# KiCad board digital_board_v1.kicad_pcb
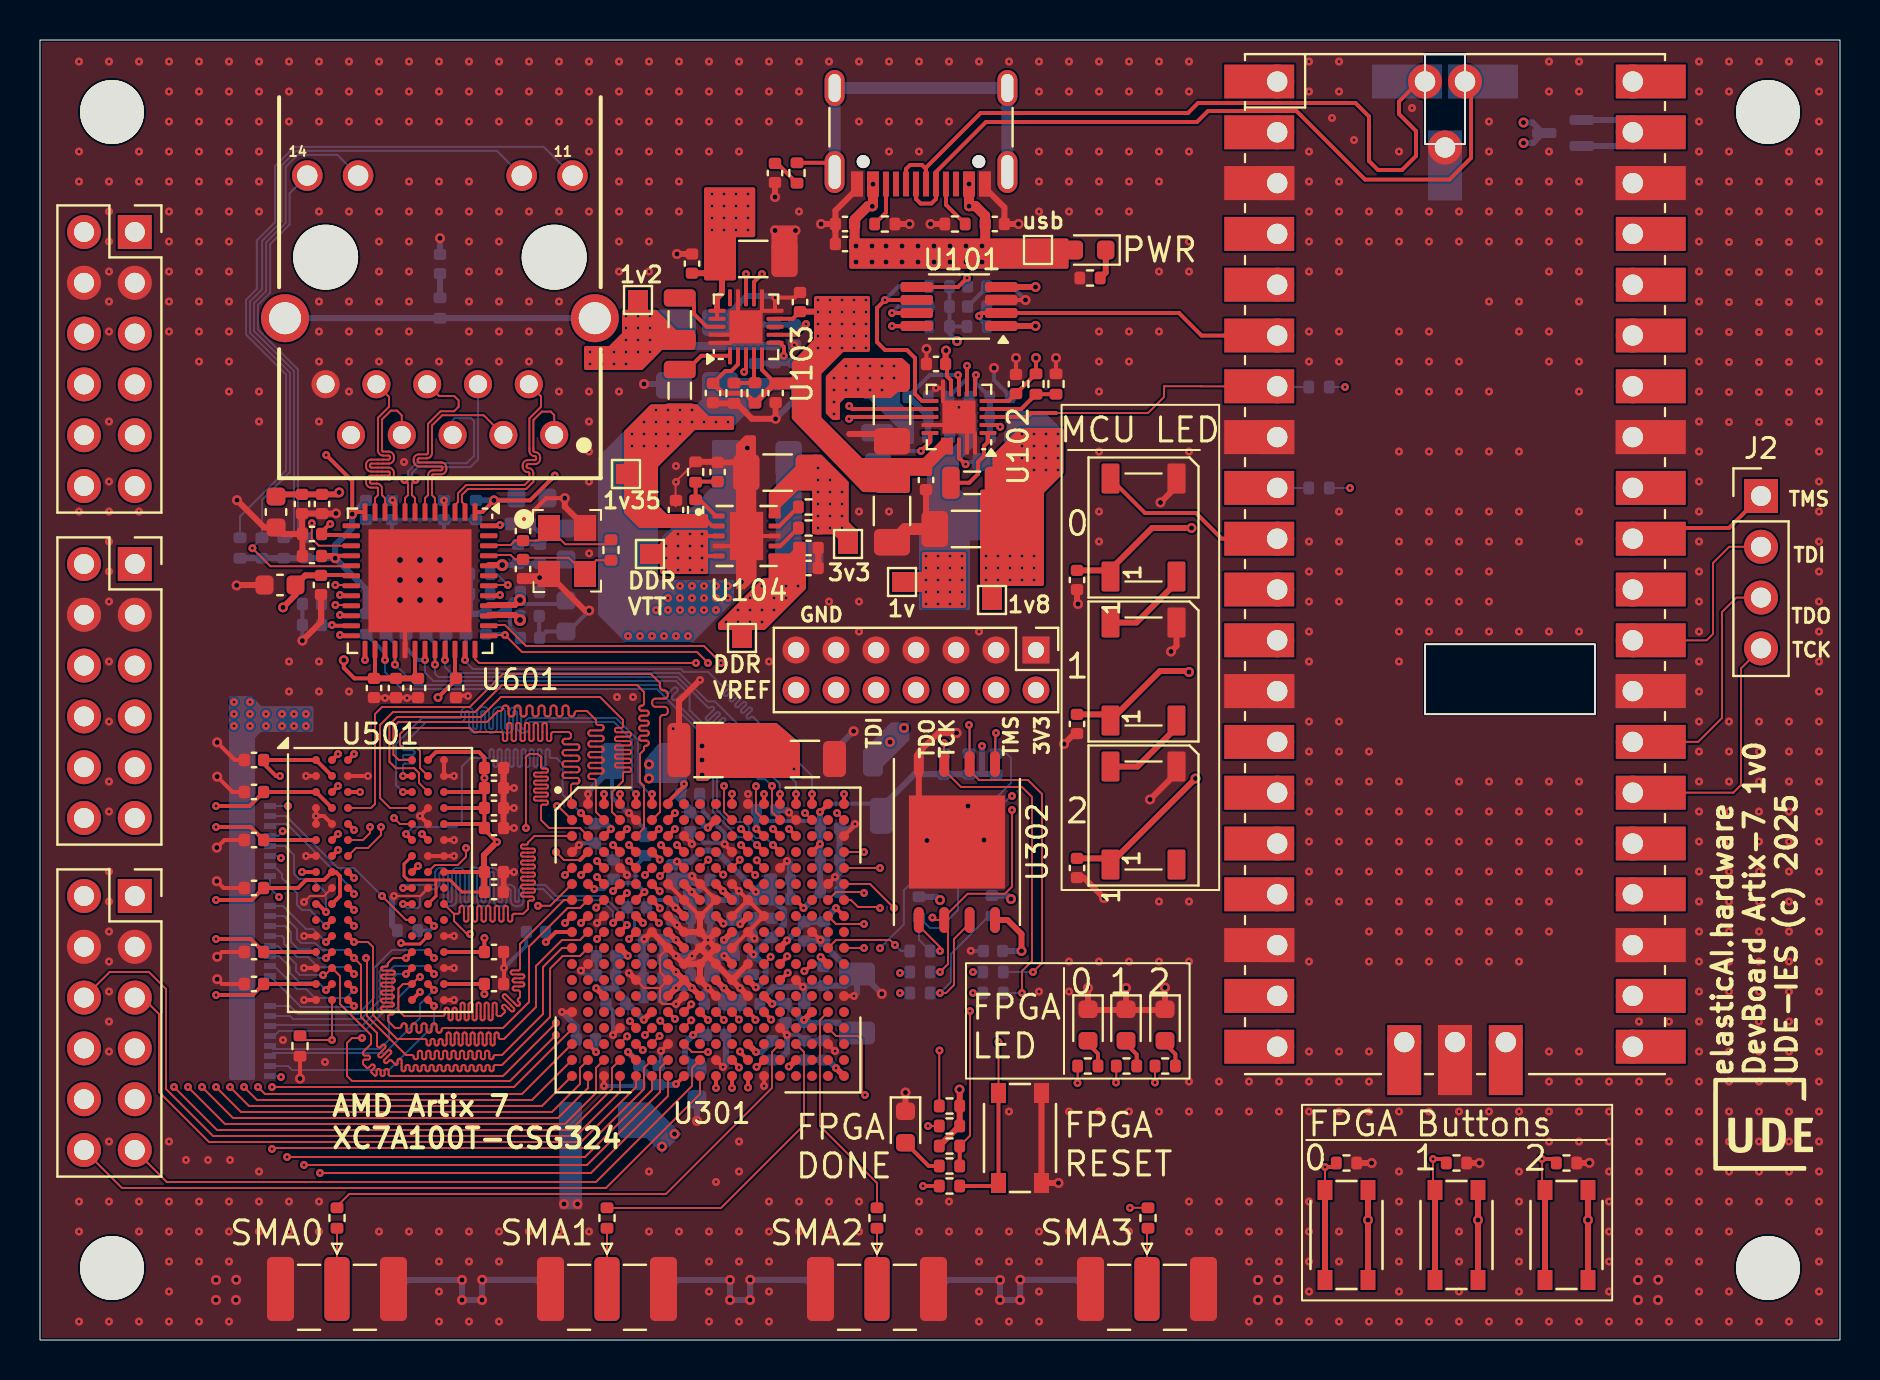
[diagram p0: board, top side]
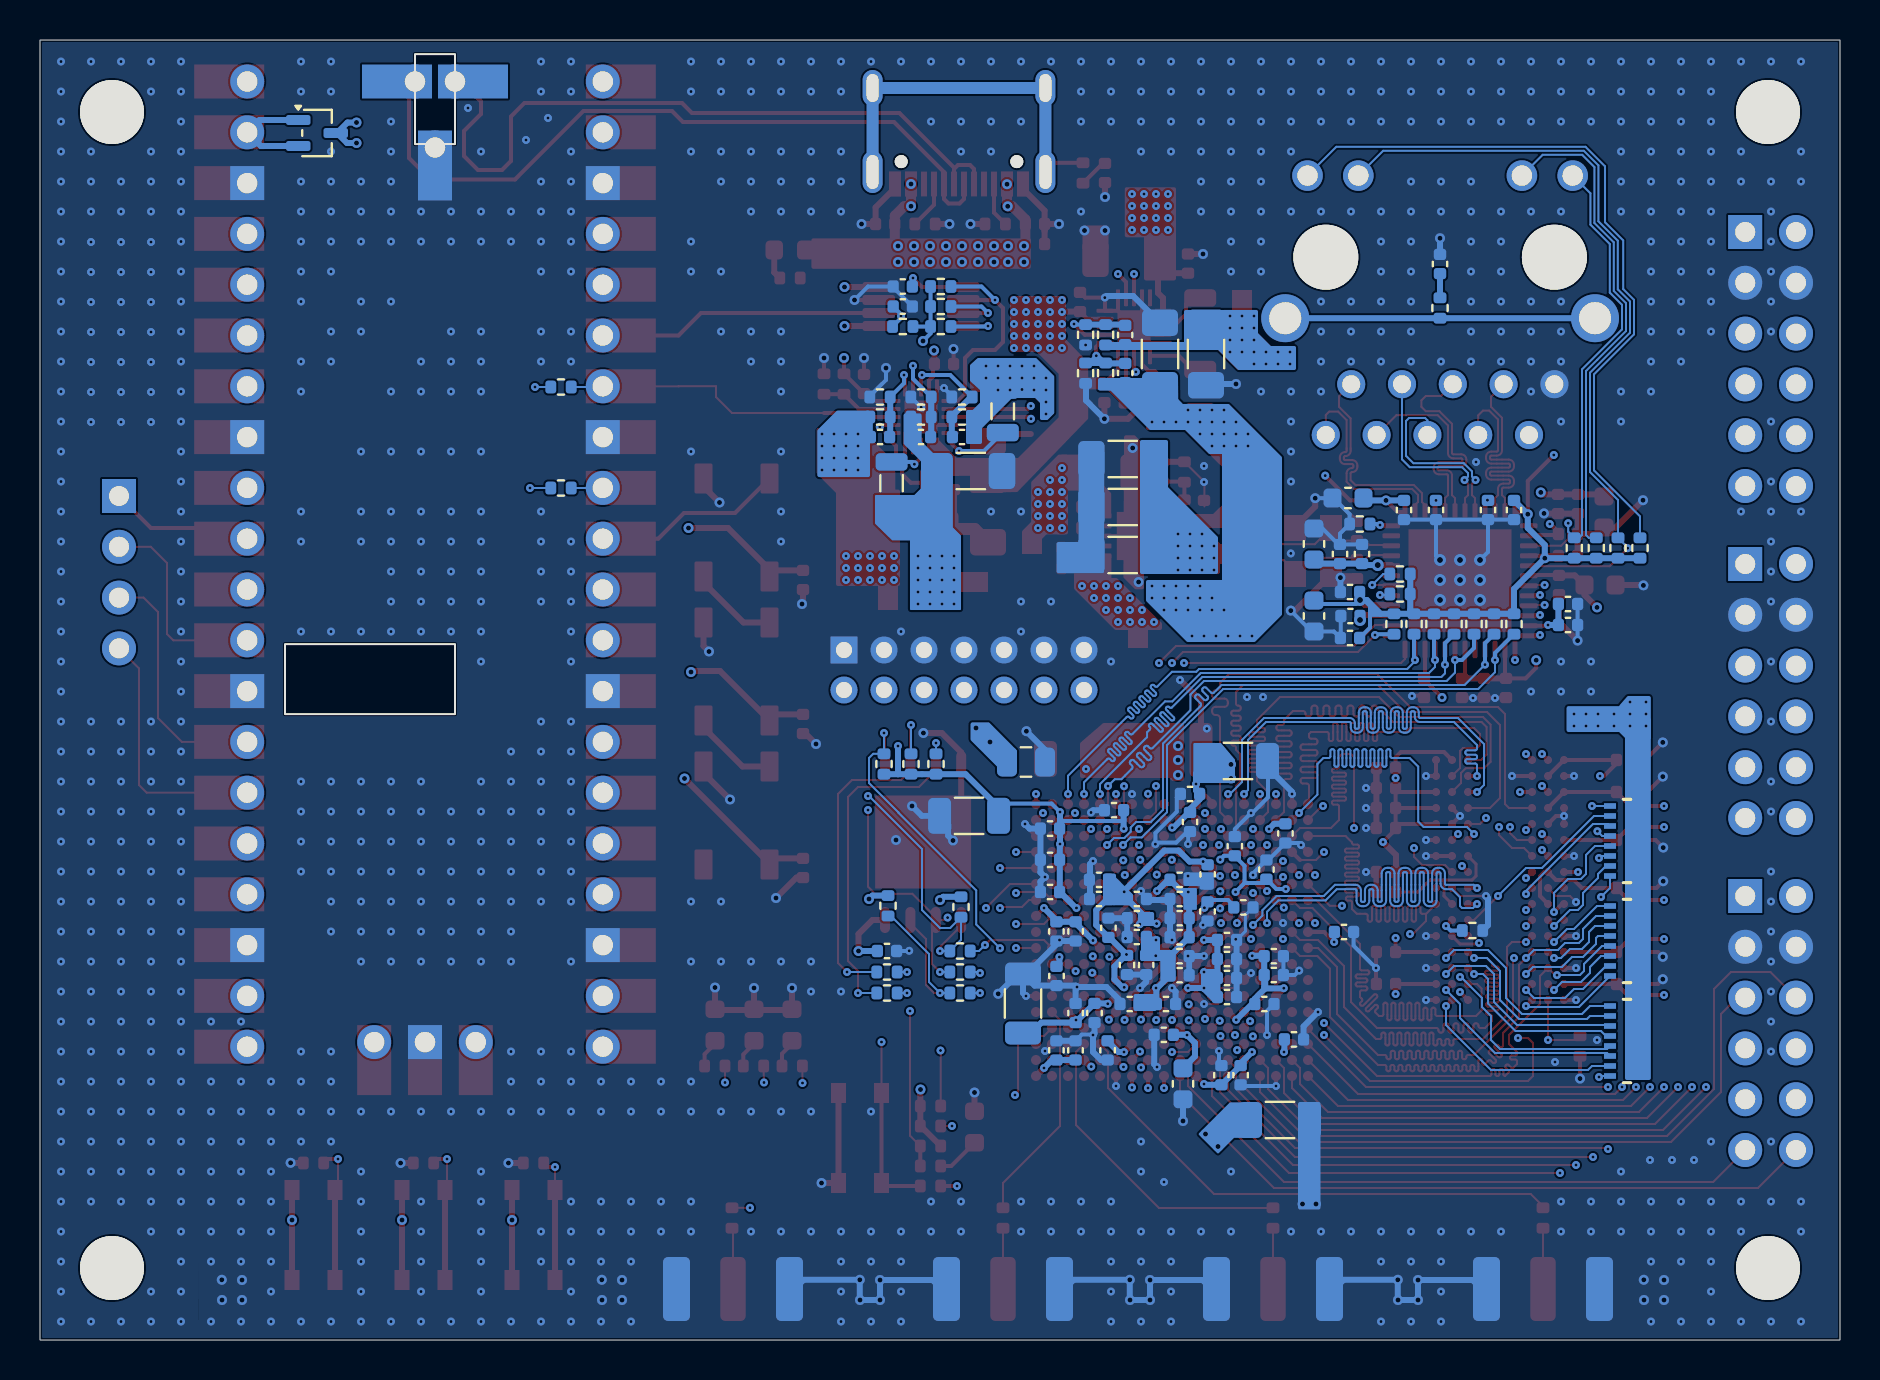
[diagram p1: board, bottom side, seen from below]

Outline 90 x 65 mm; copper layers: F.Cu (signal), In1.Cu (GND) (plane), In2.Cu (signal), In3.Cu (PWR) (plane), In4.Cu (PWR), In5.Cu (signal), In6.Cu (GND), B.Cu (signal). Coordinates in mm from the lower left corner of the outline.
Outline path: rectangle 0,65 90,0
Stack: F.Cu (signal) 0.018mm / dielectric 0.1mm FR4 er 4.2 / In1.Cu (GND) 0.018mm / dielectric 0.3233mm FR4 er 4.2 / In2.Cu (signal) 0.018mm / dielectric 0.1mm FR4 er 4.2 / In3.Cu (PWR) 0.018mm / dielectric 0.3233mm FR4 er 4.2 / In4.Cu (PWR) 0.018mm / dielectric 0.1mm FR4 er 4.2 / In5.Cu (signal) 0.035mm / dielectric 0.3233mm FR4 er 4.5 / In6.Cu (GND) 0.035mm / dielectric 0.1mm FR4 er 4.5 / B.Cu (signal) 0.018mm

## Placement (name value [footprint] x y rotation side)
C101  100n  [C_0402_1005Metric]  46.86 51.67 180 bottom
C102  100n  [C_0402_1005Metric]  46.86 52.67 0 bottom
C103  100n  [C_0402_1005Metric]  44.8 48.8 180 top
C104  100n  [C_0402_1005Metric]  48.8 47.8 90 top
C105  100n  [C_0402_1005Metric]  44.3 43 270 top
C106  47µ  [C_1206_3216Metric_Pad1.33x1.80mm_HandSolder]  42.6 41.45 90 top
C107  6p8  [C_0402_1005Metric]  45.95 45.15 180 bottom
C108  10µ  [C_1206_3216Metric_Pad1.33x1.80mm_HandSolder]  43.46 43.45 180 bottom
C109  3p3  [C_0402_1005Metric]  48 45.15 180 bottom
C110  10µ  [C_1206_3216Metric_Pad1.33x1.80mm_HandSolder]  46.3 40.55 180 top
C111  3p3  [C_0402_1005Metric]  43.9 45.15 0 bottom
C112  10µ  [C_1206_3216Metric_Pad1.33x1.80mm_HandSolder]  42.6 46.5 270 top
C113  100n  [C_0402_1005Metric]  33.65 47.35 90 top
C114  100n  [C_0402_1005Metric]  36.78 47.35 90 top
C115  100n  [C_0402_1005Metric]  32.6 53.82 90 top
C116  100n  [C_0402_1005Metric]  38 51.9 90 top
C117  47µ  [C_1206_3216Metric_Pad1.33x1.80mm_HandSolder]  35.66 54.05 180 top
C118  6p8  [C_0402_1005Metric]  35.74 50.25 90 bottom
C119  10µ  [C_1206_3216Metric_Pad1.33x1.80mm_HandSolder]  31.7 49.3 270 bottom
C120  3p3  [C_0402_1005Metric]  35.74 48.35 90 bottom
C121  10µ  [C_1206_3216Metric_Pad1.33x1.80mm_HandSolder]  34 49.3 90 bottom
C124  10µ  [C_1206_3216Metric_Pad1.33x1.80mm_HandSolder]  36.88 43.37 180 top
C125  100n  [C_0402_1005Metric]  33.88 43.4 90 top
C126  100n  [C_0402_1005Metric]  31.8 41.5 90 top
C127  10µ  [C_1206_3216Metric_Pad1.33x1.80mm_HandSolder]  35.87 44.05 0 bottom
C128  10µ  [C_1206_3216Metric_Pad1.33x1.80mm_HandSolder]  35.87 41.65 0 bottom
C129  10µ  [C_1206_3216Metric_Pad1.33x1.80mm_HandSolder]  35.87 39.25 0 bottom
C130  100n  [C_0402_1005Metric]  38.43 39.6 0 top
C131  100n  [C_0402_1005Metric]  38.43 38.6 0 top
C144  100n  [C_0402_1005Metric]  47.65 19.45 180 bottom
C201  100n  [C_0402_1005Metric]  47.74 55.8 0 top
C202  100n  [C_0402_1005Metric]  40.25 54.8 180 top
C203  100n  [C_0402_1005Metric]  40.25 55.8 180 top
C204  100n  [C_0402_1005Metric]  36.75 58.35 270 top
C205  100n  [C_0402_1005Metric]  51.85 38 270 top
C206  100n  [C_0402_1005Metric]  51.85 30.8 270 top
C207  100n  [C_0402_1005Metric]  51.85 23.6 270 top
C301  470n  [C_0402_1005Metric]  39.18 18.2 90 bottom
C302  470n  [C_0402_1005Metric]  37.28 16.35 90 bottom
C303  470n  [C_0402_1005Metric]  36.62 14.48 90 bottom
C304  470n  [C_0402_1005Metric]  39.18 14.48 270 bottom
C305  10µ  [C_0402_1005Metric]  38.22 14.48 270 bottom
C306  10µ  [C_0402_1005Metric]  38.22 16.35 270 bottom
C307  100µ  [C_1206_3216Metric]  40.85 16.82 270 bottom
C308  470n  [C_0402_1005Metric]  36.3 26.49 180 bottom
C309  470n  [C_0402_1005Metric]  39.5 25.57 180 bottom
C310  470n  [C_0402_1005Metric]  39.5 22.4 180 bottom
C311  470n  [C_0402_1005Metric]  39.18 20.43 90 bottom
C312  10µ  [C_0402_1005Metric]  38.22 20.43 90 bottom
C313  10µ  [C_0402_1005Metric]  39.5 24.01 180 bottom
C314  100µ  [C_1206_3216Metric]  43.54 26.21 180 bottom
C315  470n  [C_0402_1005Metric]  27.73 25.33 90 bottom
C316  470n  [C_0402_1005Metric]  30.26 24.69 270 bottom
C317  470n  [C_0402_1005Metric]  32.5 25.9 90 bottom
C318  470n  [C_0402_1005Metric]  24.8 20.4 0 bottom
C319  10µ  [C_0402_1005Metric]  32.5 27.3 180 bottom
C320  10µ  [C_0402_1005Metric]  28.68 23.52 270 bottom
C321  100µ  [C_1206_3216Metric]  30.1 28.95 0 bottom
C322  470n  [C_0402_1005Metric]  28.31 19.19 0 bottom
C323  470n  [C_0402_1005Metric]  28.78 16.8 0 bottom
C324  470n  [C_0402_1005Metric]  30.93 13.24 270 bottom
C325  470n  [C_0402_1005Metric]  27.3 15.03 0 bottom
C326  10µ  [C_0402_1005Metric]  29.97 13.24 90 bottom
C327  10µ  [C_0402_1005Metric]  28.31 18.25 0 bottom
C328  100µ  [C_1206_3216Metric]  28 11 0 bottom
C401  47µ  [C_0603_1608Metric]  32.85 12.81 270 bottom
C402  470n  [C_0402_1005Metric]  33.81 15.26 0 bottom
C403  10µ  [C_0402_1005Metric]  35.16 22.05 180 bottom
C404  10µ  [C_0402_1005Metric]  37.05 22.05 0 bottom
C405  47µ  [C_0805_2012Metric]  40.7 28.9 180 bottom
C406  470n  [C_0402_1005Metric]  37.05 23.01 0 bottom
C407  470n  [C_0402_1005Metric]  35.16 21.09 0 bottom
C408  470n  [C_0402_1005Metric]  35.65 18.75 270 bottom
C409  470n  [C_0402_1005Metric]  36.58 20.61 90 bottom
C410  470n  [C_0402_1005Metric]  31.62 23.28 270 bottom
C411  470n  [C_0402_1005Metric]  33.02 23.01 180 bottom
C412  470n  [C_0402_1005Metric]  29.83 21.63 180 bottom
C413  100µ  [C_1206_3216Metric]  38.25 29.05 0 top
C414  100µ  [C_1210_3225Metric]  33.43 29.5 180 top
C415  10µ  [C_0402_1005Metric]  33.7 16.8 180 bottom
C416  10µ  [C_0402_1005Metric]  33.02 19.19 180 bottom
C417  10µ  [C_0402_1005Metric]  35.16 20.15 0 bottom
C418  10µ  [C_0402_1005Metric]  35.52 16.8 0 bottom
C419  10µ  [C_0402_1005Metric]  31.62 21.43 270 bottom
C420  10µ  [C_0402_1005Metric]  30.65 17.15 180 bottom
C421  470n  [C_0402_1005Metric]  30.65 20 180 bottom
C422  470n  [C_0402_1005Metric]  33.02 20.14 0 bottom
C423  470n  [C_0402_1005Metric]  34.69 18.75 270 bottom
C424  470n  [C_0402_1005Metric]  33.02 22.05 0 bottom
C425  470n  [C_0402_1005Metric]  30.65 18.1 180 bottom
C426  470n  [C_0402_1005Metric]  33.02 18.24 180 bottom
C427  470n  [C_0402_1005Metric]  30.65 19.05 180 bottom
C428  470n  [C_0402_1005Metric]  33.02 21.09 0 bottom
C501  470n  [C_0402_1005Metric]  22.7 28.6 180 top
C502  470n  [C_0402_1005Metric]  22.7 22.4 180 top
C503  470n  [C_0402_1005Metric]  22.7 26.6 180 top
C504  470n  [C_0402_1005Metric]  22.7 23.4 180 top
C505  470n  [C_0402_1005Metric]  22.7 25.6 180 top
C506  470n  [C_0402_1005Metric]  22.7 27.6 180 top
C507  470n  [C_0402_1005Metric]  22.7 17.8 180 top
C508  470n  [C_0402_1005Metric]  10.7 19.4 0 top
C509  470n  [C_0402_1005Metric]  10.7 17.8 0 top
C510  470n  [C_0402_1005Metric]  22.7 19.4 180 top
C511  470n  [C_0402_1005Metric]  10.7 29 0 top
C512  470n  [C_0402_1005Metric]  10.7 27.4 0 top
C513  470n  [C_0402_1005Metric]  10.7 25 0 top
C514  470n  [C_0402_1005Metric]  10.7 22.6 0 top
C601  10µ  [C_0603_1608Metric]  26.3 36.2 270 bottom
C602  470n  [C_0402_1005Metric]  24.5 35.1 0 bottom
C603  100n  [C_0402_1005Metric]  20.8 32.6 270 top
C604  100n  [C_0402_1005Metric]  24.5 37.4 0 bottom
C605  100n  [C_0402_1005Metric]  13.6 39.2 180 top
C606  10µ  [C_0603_1608Metric]  24.6 42.1 0 bottom
C607  100n  [C_0402_1005Metric]  16.3 41.5 270 bottom
C608  100n  [C_0402_1005Metric]  21.8 41.5 270 bottom
C609  100n  [C_0402_1005Metric]  16.7 32.6 270 top
C610  100n  [C_0402_1005Metric]  18.9 32.6 270 top
C611  100n  [C_0402_1005Metric]  24.48 36.2 0 bottom
C612  100n  [C_0402_1005Metric]  13.6 35.75 180 bottom
C613  100n  [C_0402_1005Metric]  13.6 40.3 180 top
C614  470n  [C_0402_1005Metric]  13.6 36.8 180 bottom
C615  470n  [C_0402_1005Metric]  14.05 37.75 270 top
C616  470n  [C_0402_1005Metric]  17.8 32.6 270 top
C617  10µ  [C_0603_1608Metric]  12 37.75 180 top
C618  100n  [C_0402_1005Metric]  20.2 41.5 270 bottom
C619  100n  [C_0402_1005Metric]  17.6 41.5 270 bottom
C620  100n  [C_0402_1005Metric]  14.1 41.8 270 top
C621  470n  [C_0402_1005Metric]  13.1 41.8 270 top
C622  10µ  [C_0603_1608Metric]  11.8 41.4 270 top
C623  100n  [C_0402_1005Metric]  25 39.3 90 bottom
C624  100n  [C_0402_1005Metric]  23.9 39.3 90 bottom
C625  10µ  [C_0603_1608Metric]  26.3 39.8 90 bottom
C626  18p  [C_0402_1005Metric]  24.15 40.45 90 top
C627  18p  [C_0402_1005Metric]  24.15 38.55 270 top
C628  100n  [C_0402_1005Metric]  20 53.8 90 bottom
D8  BAT54AW  [SOT-323_SC-70]  76.15 60.35 180 bottom
D201  WS2812B  [LED_WS2812B_PLCC4_5.0x5.0mm_P3.2mm]  55.18 40.62 90 top
D202  WS2812B  [LED_WS2812B_PLCC4_5.0x5.0mm_P3.2mm]  55.18 33.43 90 top
D203  WS2812B  [LED_WS2812B_PLCC4_5.0x5.0mm_P3.2mm]  55.18 26.22 90 top
D204  LED_0603  [LED_0603_1608Metric]  52.5 54.5 180 top
D301  LED_0603  [LED_0603_1608Metric]  52.4 15.75 270 top
D302  LED_0603  [LED_0603_1608Metric]  54.3 15.75 270 top
D303  LED_0603  [LED_0603_1608Metric]  56.25 15.75 270 top
D401  LED_0603  [LED_0603_1608Metric]  43.28 10.65 270 top
G***  LOGO  [logo_ude_5x5]  86.16 10.79 0 top
H1  MountingHole  [MountingHole_3.2mm_M3]  3.6 61.4 0 top
H2  MountingHole  [MountingHole_3.2mm_M3]  3.6 3.6 0 top
H3  MountingHole  [MountingHole_3.2mm_M3]  86.4 3.6 0 top
H4  MountingHole  [MountingHole_3.2mm_M3]  86.4 61.4 0 top
J2  Conn_01x04  [PinHeader_1x04_P2.54mm_Vertical]  86.05 42.2 0 top
J3  USB-C Receptable (16P)  [USB_C_Receptacle_16P]  44.05 61.53 180 top
J301  SMA-FEMALE-H  [SMA_Samtec_SMA-J-P-H-ST-EM1_EdgeMount]  14.85 2.05 270 top
J302  SMA-FEMALE-H  [SMA_Samtec_SMA-J-P-H-ST-EM1_EdgeMount]  28.35 2.05 270 top
J303  SMA-FEMALE-H  [SMA_Samtec_SMA-J-P-H-ST-EM1_EdgeMount]  41.85 2.05 270 top
J304  SMA-FEMALE-H  [SMA_Samtec_SMA-J-P-H-ST-EM1_EdgeMount]  55.35 2.05 270 top
J305  PMOD  [PinSocket_2x06_P2.54mm_Vertical]  4.74 55.4 0 top
J306  PMOD  [PinSocket_2x06_P2.54mm_Vertical]  4.74 22.2 0 top
J307  PMOD  [PinSocket_2x06_P2.54mm_Vertical]  4.74 38.8 0 top
J401  AMD JTAG Header  [PinHeader_2x07_P2.00mm_Vertical]  49.8 34.5 270 top
J601  7499111121A  [RJ45_7499111121A]  20 54.14 0 top
L101  1.5u  [L_0806_2016Metric]  47.42 42.84 90 bottom
L102  3.3u  [L_0806_2016Metric]  46.61 42.86 180 top
L103  2.2u  [L_0806_2016Metric]  41.86 46.43 270 bottom
L104  3.3u  [L_0806_2016Metric]  31.99 51.04 90 top
L105  3.3u  [L_0806_2016Metric]  31.99 47.46 90 top
R101  100k  [R_0402_1005Metric]  46.86 50.67 0 bottom
R102  100k  [R_0402_1005Metric]  44.96 50.67 180 bottom
R103  100k  [R_0402_1005Metric]  44.96 51.67 180 bottom
R104  100k  [R_0402_1005Metric]  44.96 52.67 180 bottom
R105  120k  [R_0402_1005Metric]  49.8 47.8 270 top  (not fitted)
R106  120k  [R_0402_1005Metric]  50.8 47.8 90 top
R107  30k  [R_0402_1005Metric]  45.95 46.15 180 bottom
R108  120k  [R_0402_1005Metric]  45.95 47.15 0 bottom
R109  150k  [R_0402_1005Metric]  48 46.15 180 bottom
R110  120k  [R_0402_1005Metric]  48 47.15 0 bottom
R111  180k  [R_0402_1005Metric]  43.9 46.15 0 bottom
R112  57k6  [R_0402_1005Metric]  43.9 47.15 0 bottom
R113  120k  [R_0402_1005Metric]  35.75 47.35 90 top  (not fitted)
R114  120k  [R_0402_1005Metric]  34.7 47.34 270 top
R115  100k  [R_0402_1005Metric]  36.72 50.26 90 bottom
R116  200k  [R_0402_1005Metric]  37.72 50.26 270 bottom
R117  124K  [R_0402_1005Metric]  36.72 48.34 90 bottom
R118  180k  [R_0402_1005Metric]  37.72 48.34 270 bottom
R121  10k  [R_0402_1005Metric]  38.43 40.6 180 top
R122  10k  [R_0402_1005Metric]  32.78 41.5 90 top
R123  10k  [R_0402_1005Metric]  32.78 43.4 90 top
R124  10k  [R_0402_1005Metric]  38.43 41.65 180 top
R201  5k1  [R_0402_1005Metric]  42.24 55.8 0 top
R202  5k1  [R_0402_1005Metric]  45.75 55.8 180 top
R203  470R  [R_0402_1005Metric]  37.85 58.35 270 top
R204  120k  [R_0402_1005Metric]  63.95 47.65 180 bottom
R205  120k  [R_0402_1005Metric]  63.95 42.6 180 bottom
R206  1k5  [R_0402_1005Metric]  52.5 53.1 180 top
R301  100R  [R_0402_1005Metric]  44 19.45 180 bottom
R302  100R  [R_0402_1005Metric]  47.65 18.4 180 bottom
R303  100R  [R_0402_1005Metric]  47.65 17.35 180 bottom
R304  100R  [R_0402_1005Metric]  44 17.35 180 bottom
R305  100R  [R_0402_1005Metric]  44 18.4 180 bottom
R306  1k5  [R_0402_1005Metric]  52.39 13.7 0 top
R307  1k5  [R_0402_1005Metric]  54.32 13.7 0 top
R308  1k5  [R_0402_1005Metric]  56.26 13.7 0 top
R309  0R  [R_0402_1005Metric]  14.85 6.1 270 top
R310  0R  [R_0402_1005Metric]  28.35 6.1 270 top
R311  0R  [R_0402_1005Metric]  41.85 6.1 270 top
R312  0R  [R_0402_1005Metric]  55.4 6.1 270 top
R313  10k  [R_0402_1005Metric]  65.32 8.85 180 top
R314  10k  [R_0402_1005Metric]  70.82 8.85 180 top
R315  10k  [R_0402_1005Metric]  76.32 8.85 180 top
R316  2kR  [R_0402_1005Metric]  47.6 21.71 270 bottom
R317  2kR  [R_0402_1005Metric]  45.2 28.8 90 bottom
R318  2kR  [R_0402_1005Metric]  43.95 21.65 270 bottom
R319  2kR  [R_0402_1005Metric]  46.45 28.8 90 bottom
R320  4.7kR  [R_0402_1005Metric]  47.8 28.8 90 bottom
R401  100R  [R_0402_1005Metric]  45.47 9.7 0 top
R402  470R  [R_0402_1005Metric]  45.47 8.7 180 top
R403  5k1  [R_0402_1005Metric]  45.47 11.7 180 top
R404  5k1  [R_0402_1005Metric]  45.47 7.7 0 top
R405  5k1  [R_0402_1005Metric]  45.47 10.7 180 top
R501  EXB-2HV510JV  [SMD16_EXB2HV_0602X8_PAN]  10.65 14.95 0 bottom
R502  EXB-2HV510JV  [SMD16_EXB2HV_0602X8_PAN]  10.65 24.95 0 bottom
R503  EXB-2HV510JV  [SMD16_EXB2HV_0602X8_PAN]  10.65 19.95 0 bottom
R504  1k5  [R_0402_1005Metric]  13 14.7 270 top
R505  100R  [R_0402_1005Metric]  18.38 20.47 0 bottom
R601  10k  [R_0402_1005Metric]  19.3 35.8 90 bottom
R602  10k  [R_0402_1005Metric]  18.3 35.8 90 bottom
R603  10k  [R_0402_1005Metric]  17.3 35.8 90 bottom
R604  10k  [R_0402_1005Metric]  16.3 35.8 90 bottom
R605  10k  [R_0402_1005Metric]  11.1 39.6 270 bottom
R606  10k  [R_0402_1005Metric]  13.29 39.6 270 bottom
R607  10k  [R_0402_1005Metric]  21.3 35.8 90 bottom
R608  10k  [R_0402_1005Metric]  20.3 35.8 90 bottom
R609  10k  [R_0402_1005Metric]  22 37.3 180 bottom
R610  470R  [R_0402_1005Metric]  10 39.6 270 bottom
R611  470R  [R_0402_1005Metric]  12.19 39.6 270 bottom
R612  470R  [R_0402_1005Metric]  20 51.6 90 bottom
R613  10k  [R_0402_1005Metric]  24.01 40.8 180 bottom
R614  10M  [R_0402_1005Metric]  28.55 39.5 270 top  (not fitted)
R615  5k1  [R_0402_1005Metric]  22.3 35.8 90 bottom
R616  10k  [R_0402_1005Metric]  22 38.3 180 bottom
S301  TL3365AF180QG  [TACTILE-SWITCH]  65.32 5.25 90 top
S302  TL3365AF180QG  [TACTILE-SWITCH]  70.82 5.25 90 top
S303  TL3365AF180QG  [TACTILE-SWITCH]  76.32 5.25 90 top
S401  TL3365AF180QG  [TACTILE-SWITCH]  49 10.1 90 top
TP1  TestPoint_Probe  [TestPoint_Pad_1.0x1.0mm]  43.1 37.9 0 top
TP2  TestPoint_Probe  [TestPoint_Pad_1.0x1.0mm]  47.6 37 0 top
TP3  TestPoint_Probe  [TestPoint_Pad_1.0x1.0mm]  40.4 39.8 0 top
TP4  TestPoint_Probe  [TestPoint_Pad_1.0x1.0mm]  29.9 52 0 top
TP5  TestPoint_Probe  [TestPoint_Pad_1.0x1.0mm]  29.3 43.3 0 top
TP6  TestPoint_Probe  [TestPoint_Pad_1.0x1.0mm]  30.5 39.3 0 top
TP7  TestPoint_Probe  [TestPoint_Pad_1.0x1.0mm]  35.1 35.1 0 top
TP8  TestPoint_Probe  [TestPoint_Pad_1.0x1.0mm]  49.9 54.5 0 top
U11  RPi Pico  [RPi_Pico_SMD_TH_wUSB_TP]  70.75 38.79 0 top
U101  LM3881MME_NOPB  [VSSOP-8_3x3mm_P0.65mm]  45.95 51.67 180 top
U102  LTC3569EUDPBF  [QFN-20-1EP_3x3mm_P0.4mm_EP1.65x1.65mm]  45.95 46.15 180 top
U103  LTC3569EUDPBF  [QFN-20-1EP_3x3mm_P0.4mm_EP1.65x1.65mm]  35.3 50.66 90 top
U104  TPS51200DRCR  [VSON-10-TPS51200DRCR]  35.33 40.2 0 top
U301  XC7A100T-CSG324  [BGA-324_18x18_15.0x15.0mm]  33.4 20 0 top
U302  S25FL256S  [WSON-8_EP_8x6_Pitch1.27mm]  45.84 24.9 270 top
U501  AS4C256M16D3  [BGA-96_9.0x13.0mm_Layout2x3x16_P0.8mm]  17 23 0 top
U601  KSZ9031RNXCA  [QFN-48-1EP_7x7mm_P0.5mm_EP5.15x5.15mm]  19 37.96 270 top
Y601  KX7_QRZ_25MHz  [KX-7]  26.4 39.5 270 top
